# Altium PCB praxis_top_level_pcbdoc_v3.PcbDoc (part 2 of 4) (continued)
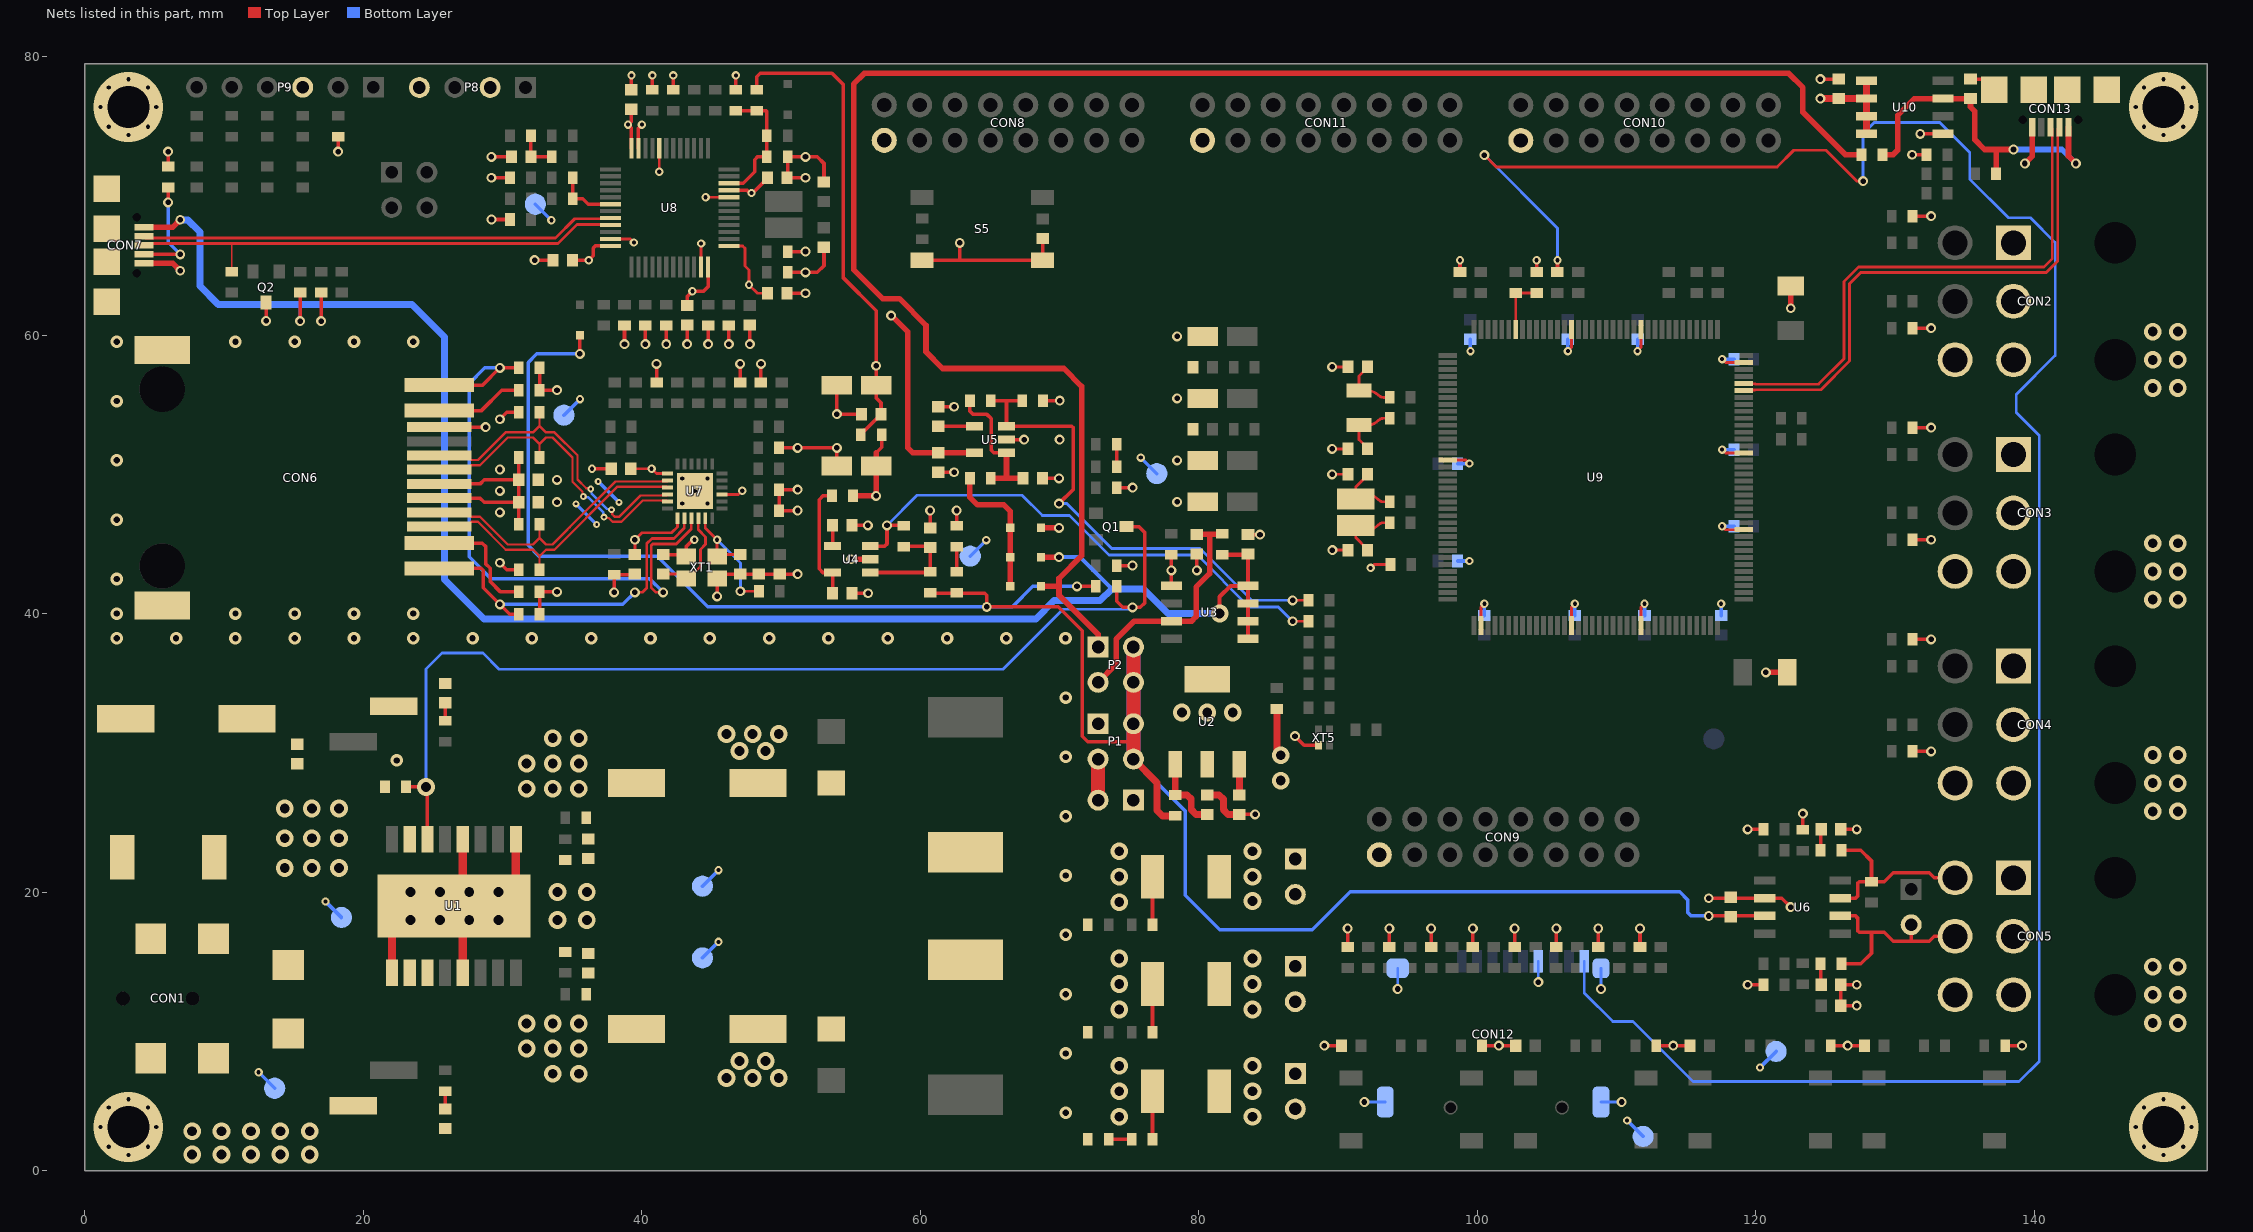
[diagram p4: the nets of this part, all layers, seen from the top]
## Part data (continued)
U6: library part MCP2562, "1/1 Transceiver CANbus 8-SOIC", Supplier 1=Digi-Key
U7: library part LAN8742A-CZ_MOD, "IC TRANSCEIVER 1/1 24SQFN", Manufacturer=Microchip, Supplier Part Number 1=LAN8742A-CZ-ND, Category="Interface ICs", Manufacturer Part Number=LAN8742A-CZ, Supplier 1=Digi-Key
U8: "IC MCU 32BIT 128KB FLASH 48LQFP", Case/Package=LQFP, Frequency=72MHz, Manufacturer=STMicroelectronics, Max Operating Temperature=85°C, Max Power Dissipation=363mW, Max Supply Voltage=3.6V, Min Operating Temperature=-40°C, Min Supply Voltage=2V, Package Quantity=250, Supplier Part Number 1=497-6288-ND, Address Bus Width=32b, Category=Microcontrollers, Contact Plating=Gold, Core Architecture=ARM, Data Bus Width=32b, Density=128KB, Height=1.45mm, Interface=I2C,SPI,USB,CAN,IrDA,UART,USART,LIN, Lead Free="Lead Free", Length=7mm, Manufacturer Part Number=STM32F103CBT6, Max Frequency=72MHz, Memory Size=128KB, Memory Type=FLASH, Number of ADC Channels=10, Number of Bits=32, Number of I2C Channels=2, Number of I/Os=37, Number of Pins=48, Number of Programmable I/O=37, Number of PWM Channels=12, Number of SPI Channels=2, Number of Timers/Counters=4, Oscillator Type=Internal, Packaging=Tray, Peripherals="POR,PWM,WDT,DMA,Temp Sensor,I2C", Radiation Hardening=No, RAM Size=20KB, REACH SVHC="No SVHC", Supplier 1=Digi-Key, Termination=SMD/SMT, Watchdog Timer=Yes, Width=7.2mm
U9: "ARM Microcontrollers - MCU High-performance and DSP with FPU, ARM Cortex-M7 MCU with 1 Mbytes Flash, 200 MHz CPU, Art Accelerator, L1 cache, SDRAM", Case/Package=LQFP, Frequency=216MHz, Manufacturer=STMicroelectronics, Max Operating Temperature=85°C, Max Supply Voltage=3.6V, Min Operating Temperature=-40°C, Min Supply Voltage=1.7V, Category=Microcontrollers, ComponentLink1Description=http://www.alliedelec.com/images/products/datasheets/bm/STMICROELECTRONICS/70612621.pdf?src-supplier=Allied+Electronics, ComponentLink1URL=http://www.alliedelec.com/images/products/datasheets/bm/STMICROELECTRONICS/70612621.pdf?src-supplier=Allied+Electronics, ComponentLink2Description=http://www.farnell.com/datasheets/2309059.pdf?src-supplier=Farnell, ComponentLink2URL=http://www.farnell.com/datasheets/2309059.pdf?src-supplier=Farnell, ComponentLink3Description=http://www.mouser.com/ds/2/389/stm32f745ie-956321.pdf?src-supplier=Mouser, ComponentLink3URL=http://www.mouser.com/ds/2/389/stm32f745ie-956321.pdf?src-supplier=Mouser, ComponentLink4Description=http://www.st.com/content/ccc/resource/technical/document/errata_sheet/4d/39/a6/8c/84/47/47/67/DM00145382.pdf/files/DM00145382.pdf/jcr:content/translations/en.DM00145382.pdf?src-supplier=Digi-Key, ComponentLink4URL=http://www.st.com/content/ccc/resource/technical/document/errata_sheet/4d/39/a6/8c/84/47/47/67/DM00145382.pdf/files/DM00145382.pdf/jcr:content/translations/en.DM00145382.pdf?src-supplier=Digi-Key, ComponentLink5Description=http://www.farnell.com/datasheets/2309059.pdf?src-supplier=Newark, ComponentLink5URL=http://www.farnell.com/datasheets/2309059.pdf?src-supplier=Newark, ComponentLink6Description=http://www.farnell.com/datasheets/2006547.pdf?src-supplier=Element14, ComponentLink6URL=http://www.farnell.com/datasheets/2006547.pdf?src-supplier=Element14, Core Architecture=ARM, Data Bus Width=32b, Data Rate=480Mbps, Height=1.45mm, Interface=I2C,SPI,USB,CAN,Ethernet,IrDA,SD,UART,USART,LIN,EBI/EMI, Lead Free="Lead Free", Length=20.2mm, Manufacturer Part Number=STM32F746ZGT6, Max Frequency=216MHz, Memory Size=1MB, Memory Type=FLASH,OTP, Mount="Surface Mount", Number of ADC Channels=24, Number of I/Os=114, Number of Pins=144, Number of PWM Channels=6, Number of Timers/Counters=15, Number of USB Channels=2, Oscillator Type=Internal, Packaging=Tray, Peripherals="Brown-out Detect/Reset,POR,PWM,WDT,DMA,LCD", Pricing 1="60=9,23015, 62=8,97375, 122=8,73122, 300=8,50146, 600=8,28347 (USD)", RAM Size=320KB, REACH SVHC="No SVHC", RoHS=Yes, Stock 1=360, Supplier 1=Avnet, Supplier Part Number 1=STM32F746ZGT6, Width=20.2mm
XT1: library part "TSX-3225 25.00MHz", "Crystal 25MHz ±10ppm (Tol) ±18ppm (Stability) 20pF FUND 40Ohm 4-Pin Mini-CSMD T/R", Case/Package=SMD/SMT, ESR (Equivalent Series Resistance)=40R, Frequency=25MHz, Frequency Stability=18ppm, Frequency Tolerance=10ppm, Load Capacitance=20pF, Manufacturer=Epson, Manufacturer Part Number="TSX-3225 25.0000MF18X-G0", Max Operating Temperature=85°C, Min Operating Temperature=-40°C, Category=Crystals, ComponentLink1Description=https://www5.epsondevice.com/en/information/support/pdf/june_2018_psc_masterbook.pdf?src-supplier=Digi-Key, ComponentLink1URL=https://www5.epsondevice.com/en/information/support/pdf/june_2018_psc_masterbook.pdf?src-supplier=Digi-Key, ComponentLink2Description=https://support.epson.biz/td/api/doc_check.php?dl=brief_TSX-3225&amp;lang=en&src-supplier=Digi-Key, ComponentLink2URL=https://support.epson.biz/td/api/doc_check.php?dl=brief_TSX-3225&amp;lang=en&src-supplier=Digi-Key, ComponentLink3Description=https://support.epson.biz/td/api/doc_check.php?dl=brief_FA-238V_en.pdf&src-supplier=Digi-Key, ComponentLink3URL=https://support.epson.biz/td/api/doc_check.php?dl=brief_FA-238V_en.pdf&src-supplier=Digi-Key, Height=0.024inch, Length=0.126inch, Mount="Surface Mount", Packaging="Tape and Reel", Pricing 1="1=0,33000, 10=0,27500, 50=0,24760, 100=0,22000, 500=0,20900 (USD)", RoHS=Yes, RoHS Compliant=Yes, Supplier 1=Digi-Key, Width=0.098inch
XT2: "CRYSTAL 8.0000MHZ 8PF SMD", Case/Package=SMD/SMT, ESR (Equivalent Series Resistance)=500R, Frequency=8MHz, Frequency Stability=150ppm, Frequency Tolerance=50ppm, Load Capacitance=8pF, Manufacturer=NDK, Manufacturer Part Number=NX3225GD-8MHZ-STD-CRA-3, Max Operating Temperature=150°C, Min Operating Temperature=-40°C, Package Quantity=3000, Category=Crystals, Height=0.039inch, Length=0.126inch, Mount="Surface Mount", Number of Pins=2, Packaging="Tape and Reel", Supplier 1=Digi-Key, Width=0.098inch
XT3: library part NX3215SA-32, "CRYSTAL 32.7680KHZ 12.5PF SMD", Case/Package=SMD/SMT, ESR (Equivalent Series Resistance)=70kR, Frequency=32.768kHz, Frequency Tolerance=20ppm, Load Capacitance=12.5pF, Manufacturer=NDK, Max Operating Temperature=85°C, Min Operating Temperature=-40°C, Package Quantity=1000, Supplier Part Number 1=644-1156-1-ND, Category=Crystals, ComponentLink1Description=https://datasheet.ciiva.com/857/c-nx3215sa-std-mua-9-e-857050.pdf?src-supplier=Digi-Key, ComponentLink1URL=https://datasheet.ciiva.com/857/c-nx3215sa-std-mua-9-e-857050.pdf?src-supplier=Digi-Key, ComponentLink2Description=https://datasheet.ciiva.com/857/c-nx3215sa-std-mua-9-e-857051.pdf?src-supplier=Digi-Key, ComponentLink2URL=https://datasheet.ciiva.com/857/c-nx3215sa-std-mua-9-e-857051.pdf?src-supplier=Digi-Key, ComponentLink3Description=https://datasheet.ciiva.com/857/c-nx3215sa-std-mua-9-e-857052.pdf?src-supplier=Digi-Key, ComponentLink3URL=https://datasheet.ciiva.com/857/c-nx3215sa-std-mua-9-e-857052.pdf?src-supplier=Digi-Key, Height=0.035inch, Lead Free="Lead Free", Length=0.126inch, Manufacturer Part Number=NX3215SA-32.768K-STD-MUA-8, Mount="Surface Mount", Number of Pins=2, Packaging="Tape and Reel", Pricing 1="1=0,68000, 10=0,60200, 50=0,56280, 100=0,49740, 500=0,47124, 1000=0,39270 (USD)", RoHS=Yes, Stock 1=27210, Supplier 1=Digi-Key, Width=0.059inch
XT4: "CRISTAL 8MHZ SMD", Case/Package=SMD/SMT, ESR (Equivalent Series Resistance)=500R, Frequency=8MHz, Frequency Stability=150ppm, Frequency Tolerance=50ppm, Load Capacitance=8pF, Manufacturer=NDK, Manufacturer Part Number=NX3225GD-8MHZ-STD-CRA-3, Max Operating Temperature=150°C, Min Operating Temperature=-40°C, Package Quantity=3000, Supplier Part Number 1=644-1178-1-ND, Category=Crystals, Height=0.039inch, Length=0.126inch, Mount="Surface Mount", Number of Pins=2, Packaging="Tape and Reel", Supplier 1=Digi-Key, Width=0.098inch
XT5: "CRYSTAL CLOCK OSCILLATOR 25MHZ", Case/Package=SMD/SMT, Frequency=25MHz, Frequency Stability=30ppm, Load Capacitance=15pF, Manufacturer=Abracon, Manufacturer Part Number=ASCO-25.000MHZ-EK-T3, Max Operating Temperature=70°C, Max Supply Current=6mA, Max Supply Voltage=3.63V, Min Operating Temperature=-20°C, Min Supply Voltage=2.97V, Operating Supply Voltage=3.3V, Package Quantity=3000, Supplier Part Number 1=535-12075-1-ND, ASCO=25MHz, Category=Oscillators, Height=0.028inch, Length=0.063inch, Mount="Surface Mount", Number of Pins=4, Packaging="Tape and Reel", Supplier 1=Digi-Key, Termination=SMD/SMT, Width=0.047inch
J8 J9 J10 J11 J12 J13 J14: Supplier 1=Digi-Key
J15 J16 J17 J18 J19 J20 J21 J22 J23 J24 J25 J26: Supplier 1=Avnet

## Free pads (board coordinates)
  round 1.524 smd far side: 2(13.626,5.911) 2(18.425,18.175) 2(32.35,69.395) 2(34.4,54.25) 2(44.35,15.275) 2(44.35,20.425) 2(63.58,44.125) 2(76.975,50.05) 2(111.9,2.45) 2(116.975,31) 2(121.448,8.553)

## Via types
v1: diameter 0.711, hole 0.4, Top Layer to Bottom Layer, 169 vias
v2: diameter 0.6, hole 0.3, Top Layer to Bottom Layer, 83 vias
v3: diameter 1.27, hole 0.711, Top Layer to Bottom Layer, 68 vias
v4: diameter 0.6, hole 0.3, Top Layer to Bottom Layer, tented both sides, 50 vias
v5: diameter 1.27, hole 0.711, Top Layer to Bottom Layer, tented top, 43 vias
v6: diameter 0.9, hole 0.45, Top Layer to Bottom Layer, 39 vias
v7: diameter 0.4, hole 0.3, Top Layer to Bottom Layer, 32 vias
v8: diameter 0.6, hole 0.3, Top Layer to Bottom Layer, tented top, 17 vias
v9: diameter 0.711, hole 0.4, Top Layer to Bottom Layer, tented top, 8 vias
v10: diameter 0.711, hole 0.4, Top Layer to Bottom Layer, tented both sides, 6 vias
v11: diameter 0.5, hole 0.2, Top Layer to Bottom Layer, tented both sides, 4 vias
v12: diameter 0.5, hole 0.2, Top Layer to Bottom Layer, 4 vias
v13: diameter 5, hole 3, Top Layer to Bottom Layer, 4 vias
v14: diameter 0.711, hole 0.4, Top Layer to Bottom Layer, tented bottom, 1 vias
v15: diameter 0.9, hole 0.45, Top Layer to Bottom Layer, tented both sides, 1 vias

## Nets (pads, with @x,y where several pads share a name; then routed paths per layer and width w, separated by ;. In a path a pad name is that pad's centre, name@x,y a point inside that pad or via, vN(x,y) a via of type N, cw(c..) or ccw(c..) an arc to the next point about the centre after c; other vN are vias at no path point)
+3V3_MCP1825: C2.2 C23.1 C25.2 J33.1 L3.1 pad.2@76.975,50.05 R32.2 R33.2 R34.2 R35.2 R36.2 R53.2 U2.3 U7.9 | length 51.5
  Top Layer w0.2: U7.9@45.75,48.55 46.925,48.55 v2(47.2,48.825)
  Top Layer w0.254: R33.2@41.05,56.6 v1(41.05,57.932) ; R32.2@47.05,56.6 v1(47.05,57.932) ; R53.2@48.25,77.617 48.25,78.55 48.5,78.8 53.649,78.8 54.475,77.974 54.475,64.096 56.82,61.751 v1(56.82,57.8) C23.1@56.82,56.4 56.82,55.48 57.168,55.132 C25.2@57.168,54.325 57.168,54.275 56.895,54.002 56.845,54.002 55.991,53.148 55.941,53.148 55.718,52.925 L3.1@55.718,52.825 ; R34.2@48.55,56.6 v1(48.55,57.932) ; v1(51.182,47.4) R36.2@49.85,47.4 R35.2@49.85,48.9 v1(51.182,48.9)
  Top Layer w0.5: C2.2@82.9,26.975 U2.3@82.9,29.194 ; J33.1@85.6,33.15 85.6,30.104 v3(85.875,29.829)
  Bottom Layer w0.254: v2(75.825,51.2) pad.2@76.975,50.05
  other v3: 85.875,28
+3V3_MIC5301: C15.1 L4.2 U4.5 | length 8.6
  Top Layer w0.254: L4.2@53.65,48.45 53.004,48.45 52.725,48.171 52.725,43.212 52.987,42.95 U4.5@53.691,42.95 C15.1@53.691,41.458
+3V3_SPI: C3.1 C4.1 F3.1 L1.2 pad.2@44.35,15.275 R1.2 R12.2 | length 5.1
  Top Layer w0.3: R12.2@76.67,9.95 F3.1@76.67,13.4
  Bottom Layer w0.254: pad.2@44.35,15.275 v2(45.5,16.425)
  other v3: 33.6,6.95 35.475,6.95 31.725,8.762 33.6,8.762 35.475,8.762 31.725,10.561 33.6,10.561 35.475,10.561 74.276,11.571 74.276,13.4 74.276,15.229
+3V3_SPI_FUSE: CON2.1 CON3.1 CON4.1 CON5.1 F3.2 P5.2 pad.2@121.448,8.553 | length 1.6
  Bottom Layer w0.254: v8(120.298,7.403) pad.2@121.448,8.553
  other v3: 83.844,11.571 83.844,13.4 83.844,15.229
+3V3_STLINK: C18.1 C38.2 C39.2 C40.2 C41.2 C42.2 J15.2 J16.2 J20.2 P8.4 pad.2@32.35,69.395 Q2.3 R52.2 R54.2 U5.5 U8.1 U8.9 U8.24 U8.36 U8.48 | length 43.1
  Top Layer w0.2: U8.1@46.267,66.4 47.234,66.4 47.4,66.234 47.4,64.95 47.691,64.659 v2(47.691,63.609) 48.3,63 C40.2@49.017,63
  Top Layer w0.254: v1(13.01,61.018) Q2.3@13.01,62.35 ; v1(29.199,68.3) J16.2@30.531,68.3 ; C38.2@35.025,65.377 v2(36.177,65.377) 36.5,65.7 36.5,66.251 36.649,66.4 U8.36@37.733,66.4 ; U8.24@39.25,73.417 39.25,74.861 v2(39,75.111) 39.25,75.361 C42.2@39.25,76.217 ; v1(40.25,59.351) J15.2@40.25,60.683 ; J20.2@40.75,77.617 v2(40.75,78.65) ; C39.2@43.25,62.133 43.25,62.775 v2(43.625,63.15) 44.425,63.15 44.75,63.475 U8.48@44.75,64.883 ; v1(44.75,59.351) R52.2@44.75,60.683 ; U8.9@46.267,70.4 47.551,70.4 47.751,70.2 47.967,70.2 49.017,71.25 C41.2@49.017,71.3 ; R54.2@46.75,77.617 v2(46.75,78.65)
  Top Layer w0.4: v1(57.9,61.4) 57.932,61.4 59.1,60.232 59.1,51.9 59.454,51.546 U5.5@63.882,51.546
  Bottom Layer w0.254: pad.2@32.35,69.395 v2(33.5,68.245)
  other v2: 47.875,70.2
+5V: C19.2 D20.1 J1.1 J5.1 P1.2 P1.4 P2.2 P2.4 R9.2 R14.2 U6.3 | length 163.9
  Top Layer w0.254: v1(35.55,58.65) D20.1@35.55,59.983 ; J5.1@60.7,41.458 62.6,41.458 62.604,41.454 64.614,41.454 64.762,41.305 v1(64.762,40.485) 69.899,40.485 71.629,38.754 71.629,31.182 72.007,30.804 75.3,30.804 ; v1(71.246,41.95) R14.2@72.6,41.95 ; v1@116.612,18.289 118.2,18.289 U6.3@120.646,18.289
  Top Layer w0.5: P1.4@75.3,29.55 77,27.85 77,25.85 77.375,25.475 J1.1@78.3,25.475
  Top Layer w1: P1.4@75.3,29.55 75.3,30.804 P2.2@75.3,37.6
  Bottom Layer w0.254: v1(35.55,58.65) 32.45,58.65 31.825,58.025 31.825,44.9 32.6,44.125 41.1,44.125 44.74,40.485 66.61,40.485 68.075,41.95 v1(71.246,41.95) ; P1.4@75.3,29.55 79.025,25.825 79.025,19.775 81.5,17.3 88.15,17.3 90.875,20.025 114.525,20.025 115.09,19.46 115.09,18.547 115.354,18.284 v1(116.612,18.284)
  Bottom Layer w1: P1.4@75.3,29.55 P1.2@75.3,32.09 P2.4@75.3,35.06 P2.2@75.3,37.6
+5V_BAT: P1.3 P3.2 | length 2.9
  Top Layer w1: P3.2@72.76,26.6 P1.3@72.76,29.55
+5V_OTG_FS: D11.1 J41.1 P2.1 | length 132.3
  Top Layer w0.4: D11.1@68.662,41.95 69.954,41.95 ; P2.1@72.76,37.6 72.76,38.512 69.954,41.318 69.954,41.95 ; J41.1@127.587,72.95 126.425,72.95 123.375,76 123.375,77.775 122.349,78.801 55.974,78.801 55.2,78.027 55.2,64.7 57.285,62.615 58.485,62.615 60.4,60.7 60.4,58.8 61.6,57.6 70.3,57.6 71.578,56.322 71.578,44.153 69.954,42.529 69.954,41.95
+5V_SPI: C5.1 C6.1 F2.1 L2.2 pad.2@44.35,20.425 R2.2 R11.2 | length 5.1
  Top Layer w0.3: R11.2@76.67,17.655 F2.1@76.67,21.105
  Bottom Layer w0.254: pad.2@44.35,20.425 v2(45.5,21.575)
  other v3: 74.276,19.276 74.276,21.105 74.276,22.934 31.725,27.425 33.6,27.425 35.475,27.425 31.725,29.238 33.6,29.238 35.475,29.238 33.6,31.05 35.475,31.05
+5V_SPI_FUSE: C73.2 CON2.2 CON3.2 CON4.2 CON5.2 D5.1 F2.2 P1.1 P4.2 pad.2@63.58,44.125 U10.5 U10.6 U10.7 U10.8 | length 10
  Top Layer w0.4: D5.1@68.662,46.155 v1(69.954,46.155)
  Top Layer w0.5: v1(124.631,76.985) C73.2@125.963,76.985 U10.6@127.937,76.985 ; U10.8@127.937,74.445 U10.7@127.937,75.715 U10.6@127.937,76.985 ; U10.5@127.937,78.255 U10.6@127.937,76.985
  Bottom Layer w0.254: pad.2@63.58,44.125 v2(64.73,45.275)
  other v3: 83.844,19.358 83.844,21.105 83.844,22.934
+5V_STLINK: C16.1 J6.2 R18.2 U5.1 | length 10.1
  Top Layer w0.254: R18.2@63.552,55.287 63.552,54.548 63.8,54.3 64.779,54.3 65.075,54.004 65.075,51.746 65.275,51.546 U5.1@66.182,51.546
  Top Layer w0.4: J6.2@65.052,49.705 66.182,49.705 ; U5.1@66.182,51.546 66.182,49.705 ; C16.1@67.362,49.705 66.182,49.705
+5V_USB_ST_PW: C9.2 J2.1 P2.3 U3.3 | length 18.2
  Top Layer w0.4: P2.3@72.76,35.06 74.065,36.365 74.065,38.165 75.35,39.45 U3.3@78.019,39.45 79.475,39.45 79.8,39.775 79.8,41.9 80.772,42.872 80.772,45.698 ; C9.2@79.854,45.698 80.772,45.698 ; J2.1@81.69,45.698 80.772,45.698
+5V_USB_STLINK: C10.2 CON7.1 D6.1 J2.2 R63.2 U3.5 U3.6 U3.7 U3.8 | length 124.1
  Top Layer w0.254: v1(15.46,61) R63.2@15.46,63.05
  Top Layer w0.3: v5(81.489,40.011) 81.489,41.211 82.268,41.99 U3.8@83.519,41.99 ; J2.2@81.69,44.223 C10.2@83.519,44.223 ; U3.5@83.519,38.18 U3.6@83.519,39.45 U3.7@83.519,40.72 U3.8@83.519,41.99 ; C10.2@83.525,44.223 C10.2@83.519,44.223 ; U3.8@83.519,41.99 C10.2@83.519,44.223
  Top Layer w0.4: CON7.1@4.24,67.75 6.317,67.75 v1(6.848,68.281) ; D6.1@68.662,44.052 v1(69.954,44.052)
  Bottom Layer w0.254: v1(15.46,61) 15.463,61.003 15.463,62.2
  Bottom Layer w0.3: v1(69.954,44.052) 71.473,44.052 73.75,41.775
  Bottom Layer w0.5: v1(6.848,68.281) 6.874,68.256 7.386,68.256 8.25,67.393 8.25,63.525 9.575,62.2 15.463,62.2 23.5,62.2 25.825,59.875 25.825,42.45 28.65,39.625 68.3,39.625 69.6,40.925 72.9,40.925 73.75,41.775 76.025,41.775 77.789,40.011 v5(81.489,40.011)
+12V: C11.1 C12.1 D4.2 F1.1 pad.2@18.425,18.175 R10.2 R13.2 U1.2 U1.3 U1.15 | length 5.1
  Top Layer w0.3: R10.2@76.67,2.245 F1.1@76.67,5.695
  Bottom Layer w0.254: v2(17.275,19.325) pad.2@18.425,18.175
  other v3: 74.276,3.866 74.276,5.695 74.276,7.524 14.35,21.725 16.3,21.725 18.25,21.725 14.35,23.863 16.3,23.863 18.25,23.863 14.35,26 16.3,26 18.25,26
+12V_FUSE: CON2.3 CON3.3 CON4.3 CON5.3 F1.2 P6.2 pad.2@111.9,2.45 | length 1.6
  Bottom Layer w0.254: v8(110.75,3.6) pad.2@111.9,2.45
  other v3: 83.844,3.866 83.844,5.695 83.844,7.524
  other v5: 148.5,10.6 150.3,10.6 148.5,12.624 150.3,12.624 148.5,14.648 150.3,14.648 148.5,25.8 150.3,25.8 148.5,27.824 150.3,27.824 148.5,29.848 150.3,29.848 148.5,41 150.3,41 148.5,43.024 150.3,43.024 148.5,45.048 150.3,45.048 148.5,56.2 150.3,56.2 148.5,58.224 150.3,58.224 148.5,60.248 150.3,60.248
+12V_JACK: CON1.1 D3.2 D4.1
AIN_1: R53.1 R54.1 R62.2 R70.1 U8.10 | length 9.5
  Top Layer w0.254: U8.10@46.267,70.9 47.283,70.9 48.1,71.717 48.1,72.6 48.3,72.8 R62.2@48.967,72.8 R70.1@48.967,74.3 48.967,76.083 48.933,76.117 R53.1@48.25,76.117 R54.1@46.75,76.117
BOOT0: R87.1 R90.2 U9.138 | length 4.1
  Top Layer w0.2: R87.1@102.75,63.025 R90.2@104.25,63.025 ; U9.138@102.75,60.4 R87.1@102.75,63.025
BYPASS: C17.1 U5.4 | length 2.6
  Top Layer w0.254: C17.1@61.281,53.446 U5.4@63.882,53.446
C/E: Q1.3 R13.1 R14.1 U1.14 | length 77.2
  Top Layer w0.254: R13.1@23.05,27.55 v3(24.5,27.55) 24.595,27.455 U1.14@24.595,23.8 ; R14.1@74.1,41.95 74.1,40.875 74.527,40.448 v1(75.233,40.448) 75.798,40.448 76.125,40.775 76.125,45.8 75.675,46.25 Q1.3@74.8,46.25
  Bottom Layer w0.2: v3(24.5,27.55) 24.5,36.025 25.639,37.164 28.584,37.164 29.751,35.997 65.915,35.997 70.231,40.312 75.097,40.312 v1(75.233,40.448)
CAN_H: CON5.4 R27.2 R29.1 U6.7 | length 13.6
  Top Layer w0.254: U6.7@126.046,19.559 127.151,19.559 127.3,19.707 127.3,20.63 127.414,20.744 R27.2@128.3,20.744 ; R29.1@126.146,22.992 127.539,22.992 128.3,22.231 R27.2@128.3,20.744 ; CON5.4@134.3,21.024 132.8,21.024 132.446,21.378 129.853,21.378 129.219,20.744 R27.2@128.3,20.744
CAN_L: CON5.5 P7.2 R28.1 U6.6 | length 14.8
  Top Layer w0.254: U6.6@126.046,18.289 127.151,18.289 127.3,18.14 127.3,17.217 127.414,17.103 128.3,17.103 ; R28.1@126.146,14.842 127.539,14.842 128.3,15.603 128.3,17.103 ; P7.2@131.15,17.654 131.15,16.47 ; CON5.5@134.3,16.823 132.8,16.823 132.446,16.47 131.15,16.47 ; 128.3,17.103 129.219,17.103 129.853,16.47 131.15,16.47
CE: J27.1 R15.2 | length 1.6
  Top Layer w0.254: R15.2@74.1,50.55 J27.1@74.1,52.15
CLKIN_PHY: C33.2 R45.1 U7.5 XT1.3 | length 10.5
  Top Layer w0.2: U7.5@44.55,46.85 44.55,46.148 v2(45.4,45.298) XT1.3@45.4,44.11 45.523,44.233 C33.2@47.075,44.233 ; v1(47.075,41.6) R45.1@48.4,41.6
  Bottom Layer w0.2: v2(45.4,45.298) 47.075,43.623 v1(47.075,41.6)
CT: C24.1 C26.2 C27.2 C28.2 C29.2 CON6.5 CON6.6 L3.2 L4.1 pad.2@34.4,54.25 R37.2 R38.2 R39.2 R40.2 U7.1 U7.19 | length 35.3
  Top Layer w0.2: C26.2@39.2,50.4 v2(40.7,50.4) 41.05,50.05 U7.19@41.85,50.05 ; C27.2@39.5,44.233 v1(39.5,45.298) 40.002,45.8 42.134,45.8 42.55,46.216 U7.1@42.55,46.85
  Top Layer w0.254: CON6.5@25.453,48.29 28.378,48.29 28.667,48.001 C28.2@31.151,48.001 ; CON6.6@25.453,49.31 28.378,49.31 28.672,49.604 C29.2@31.151,49.604 ; v1(29.803,43.648) 30.303,43.148 R37.2@31.151,43.148 ; v1(29.803,53.952) 30.303,54.452 R40.2@31.151,54.452 ; R38.2@31.151,46.406 C28.2@31.151,48.001 ; R39.2@31.151,51.208 C29.2@31.151,49.604 ; 56.82,51.545 57.218,51.943 L3.2@57.218,52.825 ; C28.2@31.151,48.001 C28.2@31.151,48.01 C29.2@31.151,49.604
  Top Layer w0.4: L4.1@55.15,48.45 v1(56.82,48.45) C24.1@56.82,50.6 56.82,51.545
  Bottom Layer w0.254: pad.2@34.4,54.25 v2(35.55,55.4)
  other v1: 29.803,47.27 29.803,48.807 29.803,50.344
DP_ETH_RX_N: CON6.8 R40.1 U7.22 | length 23.2
  Top Layer w0.165: CON6.8@25.453,51.35 27.418,51.35 27.745,51.023 28.223,51.023 30.213,53.013 32.188,53.013 32.651,53.476 ; R40.1@32.651,54.452 32.651,53.476 ; v12(36.325,48.95) 36.272,49.003 35.997,49.003 35.375,49.625 35.375,51.366 33.729,53.013 33.114,53.013 32.651,53.476 ; v12(37.819,47.456) 37.872,47.403 37.872,47.127 38.037,46.962 38.387,46.962 39.907,48.483 41.436,48.483 41.446,48.493 41.792,48.493 U7.22@41.85,48.55
  Bottom Layer w0.165: v12(36.325,48.95) 36.378,48.897 36.378,48.622 37.491,47.509 37.766,47.509 v12(37.819,47.456)
DP_ETH_RX_P: CON6.7 R39.1 U7.23 | length 23.2
  Top Layer w0.165: CON6.7@25.453,50.33 27.418,50.33 27.745,50.658 28.374,50.658 30.364,52.648 32.188,52.648 32.651,52.184 ; R39.1@32.651,51.208 32.651,52.184 ; v12(35.792,48.417) 35.738,48.47 35.738,48.745 35.01,49.474 35.01,51.215 34.55,51.675 33.577,52.648 33.114,52.648 32.651,52.184 ; v12(37.286,46.923) 37.339,46.869 37.614,46.869 37.779,46.704 37.886,46.597 38.539,46.597 40.059,48.118 41.436,48.118 41.446,48.108 41.792,48.108 U7.23@41.85,48.05
  Bottom Layer w0.165: v12(35.792,48.417) 35.845,48.363 36.12,48.363 37.233,47.251 37.233,46.976 v12(37.286,46.923)
DP_ETH_TX_N: CON6.4 R38.1 U7.20 | length 20.6
  Top Layer w0.165: CON6.4@25.453,47.284 27.418,47.284 27.745,46.956 28.374,46.956 30.364,44.966 32.188,44.966 32.651,45.43 ; R38.1@32.651,46.406 32.651,45.43 ; U7.20@41.85,49.55 41.792,49.493 41.446,49.493 41.436,49.483 38.094,49.483 34.808,46.197 34.55,45.939 33.577,44.966 33.114,44.966 32.651,45.43
DP_ETH_TX_P: CON6.3 R37.1 U7.21 | length 20.6
  Top Layer w0.165: CON6.3@25.453,46.264 27.418,46.264 27.745,46.591 28.223,46.591 30.226,44.588 32.188,44.588 32.651,44.124 ; R37.1@32.651,43.148 32.651,44.124 ; U7.21@41.85,49.05 41.792,49.108 41.446,49.108 41.436,49.118 38.245,49.118 33.715,44.588 33.114,44.588 32.651,44.124
DP_OTG_FS_N: CON13.2 U9.103 | length 39.3
  Top Layer w0.2: U9.103@119.125,56.025 119.15,56.05 119.924,56.05 119.949,56.075 124.666,56.075 126.725,58.134 126.725,63.684 127.529,64.488 140.854,64.488 141.675,65.309 141.675,74.804 CON13.2@141.8,74.929
DP_OTG_FS_P: CON13.3 U9.104 | length 38.7
  Top Layer w0.2: U9.104@119.125,56.525 119.15,56.5 119.924,56.5 119.949,56.475 124.5,56.475 126.325,58.3 126.325,63.85 127.363,64.888 140.688,64.888 141.275,65.475 141.275,74.804 CON13.3@141.15,74.929
DP_STLINK_USB_N: CON7.2 U8.32 | length 34.1
  Top Layer w0.2: CON7.2@4.24,67.1 4.365,66.975 33.8,66.975 35.175,68.35 35.931,68.35 37.683,68.35 U8.32@37.733,68.4
DP_STLINK_USB_P: CON7.3 R68.2 U8.33 | length 36.2
  Top Layer w0.1: R68.2@10.56,64.55 10.56,66.575
  Top Layer w0.2: CON7.3@4.24,66.45 4.365,66.575 10.56,66.575 33.965,66.575 35.341,67.95 37.683,67.95 U8.33@37.733,67.9
EN: J30.2 R8.1 U4.3 | length 38.7
  Top Layer w0.2: v1(86.733,39.45) J30.2@87.875,39.45
  Top Layer w0.254: U4.3@56.391,44.85 57.451,44.85 57.6,44.999 v1(57.6,46.333) R8.1@58.8,46.333
  Bottom Layer w0.2: v1(57.6,46.333) 59.767,48.5 67.3,48.5 68.757,47.043 70.703,47.043 73.546,44.2 79.89,44.2 83.608,40.482 85.701,40.482 v1(86.733,39.45)
GND: C1.1 C2.1 C3.2 C4.2 C5.2 C6.2 C7.1 C8.1 C9.1 C10.1 C11.2 C12.2 C13.2 C14.2 C15.2 C16.2 C17.2 C18.2 C19.1 C20.1 C21.1 C22.1 C23.2 C24.2 C25.1 C26.1 C27.1 C28.1 C29.1 C30.1 C31.1 C32.1 C33.1 C34.1 C35.1 C36.1 C37.1 C38.1 C39.1 C40.1 C41.1 C42.1 C43.1 C44.1 C45.1 C46.1 C47.1 C48.1 C49.1 C50.1 C51.1 C52.1 C53.1 C54.1 C55.1 C56.1 C57.2 C58.2 C59.2 C60.2 C61.2 C62.1 C63.1 C64.2 C65.2 C66.2 C67.1 C68.1 C69.1 C70.1 C71.1 C72.1 C73.1 CON1.2 CON1.3 CON2.6 CON3.6 CON4.6 CON5.6 CON6.10 CON6.13 CON6.14 CON7.5 CON7.6 CON8.9 CON9.9 CON10.9 CON11.9 CON12.6 CON12.10 CON13.5 CON13.6 D1.1 D2.1 D3.1 D7.2 D8.2 D9.2 D10.2 D22.2 D24.2 D25.2 D26.2 D27.2 D28.2 D29.2 D30.2 D31.2 J3.2 J4.2 J19.1 J21.1 J35.1 P3.1 P4.1 P5.1 P6.1 P8.2 P9.3 pad.2@13.626,5.911 R3.1 R4.1 R7.1 R16.1 R17.1 R19.2 R20.2 R21.2 R22.2 R23.2 R24.2 R25.2 R26.2 R30.2 R31.2 R46.1 R47.1 R48.1 R49.1 R50.1 R51.1 R55.1 R57.1 R58.1 R60.1 R61.2 R62.1 R69.1 R71.1 R89.1 R90.1 R99.1 R101.1 R103.1 R105.1 R107.1 S5.3 S5.4 U1.1 U1.5 U1.9 U1.12 U1.17 U2.2 U2.4 U3.1 U4.2 U5.2 U6.2 U7.25 U8.8 U8.20 U8.23 U8.35 U8.47 U9.16 U9.38 U9.51 U9.61 U9.83 U9.94 U9.107 U9.120 U9.130 U10.1 XT1.2 XT1.4 XT5.2 | length 229.1
  Top Layer w0.2: U8.35@37.733,66.9 39.175,66.9 v8(39.425,66.65) ; v8(41.25,71.724) U8.20@41.25,73.417 ; U8.47@44.25,64.883 v8(44.25,66.576) ; v8@44.575,69.9 U8.8@46.267,69.9 ; v1(89.57,50) C65.2@90.712,50 ; v1(89.57,51.828) C64.2@90.712,51.828 ; v1(89.57,57.712) C57.2@90.712,57.712 ; v1(89.586,44.556) C66.2@90.712,44.556 ; v2(92.328,43.279) 92.574,43.525 J35.1@93.75,43.525 ; U9.16@97.875,51.025 99.175,51.025 v4(99.425,50.775) ; U9.38@100.25,39.15 100.25,40.45 v4(100.5,40.7) ; v4(106.5,58.85) 106.75,59.1 U9.130@106.75,60.4 ; U9.51@106.75,39.15 106.75,40.45 v4(107,40.7) ; v4(111.5,58.85) 111.75,59.1 U9.120@111.75,60.4 ; U9.61@111.746,39.151 111.746,40.451 v4@111.996,40.701 ; v4(117.575,46.275) 117.825,46.025 U9.83@119.125,46.025 ; v4(117.575,51.775) 117.825,51.525 U9.94@119.125,51.525 ; v4(117.575,58.275) 117.825,58.025 U9.107@119.125,58.025
  Top Layer w0.254: R57.1@5.98,72.1 v1(5.98,73.175) ; v1(16.96,61) R69.1@16.96,63.05 ; v1(18.18,73.175) R71.1@18.18,74.25 ; CON6.10@25.453,53.39 v1(28.778,53.39) ; v1(29.193,71.3) D22.2@30.531,71.3 ; v1(29.193,72.8) C37.1@30.628,72.8 ; v1(32.293,65.377) C38.1@33.625,65.377 ; R48.1@32.651,39.958 R49.1@32.651,41.553 v1(33.903,41.553) ; R47.1@32.651,57.642 R50.1@32.651,56.047 v1(33.903,56.047) ; v2(36.418,50.4) C26.1@37.8,50.4 ; v1(38,41.525) R46.1@38,42.783 C27.1@39.45,42.783 ; v1(38.75,59.351) R58.1@38.75,60.683 ; C42.1@39.25,77.617 v2(39.25,78.65) ; U8.23@39.75,73.417 39.75,74.861 v2(40,75.111) ; C32.1@41.525,44.233 43.077,44.233 XT1.4@43.2,44.11 43.2,44.233 43.2,44.825 43.674,45.298 v2(43.767,45.298) ; v1(41.75,59.351) R55.1@41.75,60.683 ; J21.1@42.25,77.617 v2(42.25,78.65) ; v1(43.25,59.351) C39.1@43.25,60.733 ; v1(45.4,41.237) XT1.2@45.4,42.51 45.723,42.833 C33.1@47.075,42.833 C31.1@48.4,42.833 C30.1@49.9,42.833 v1(51.182,42.833) ; v1(46.25,59.351) J19.1@46.25,60.683 ; v1(47.75,59.351) C36.1@47.75,60.733 ; R51.1@49.85,51.9 v1(51.182,51.9) v9(54,51.9) C24.2@54,50.6 ; C40.1@50.417,63 v1(51.749,63) ; R60.1@50.467,64.5 52.6,64.5 53.075,64.975 C34.1@53.075,66.305 ; R61.2@50.467,66 v1(51.749,66) ; v1(51.749,71.3) C41.1@50.417,71.3 50.467,71.35 R62.1@50.467,72.8 52.6,72.8 53.075,72.325 C35.1@53.075,70.995 ; C23.2@54,56.4 v9(54,54.325) C25.1@55.768,54.325 ; C15.2@55.091,41.458 v1(56.242,41.458) ; C14.2@55.091,46.333 v1(56.233,46.333) ; S5.3@60.124,65.375 62.825,65.375 ; C13.2@60.7,46.15 v1(60.7,47.4) ; C18.2@61.277,50.15 v1(62.42,50.15) ; C17.2@61.277,54.85 v1(62.42,54.85) ; D7.2@62.6,46.3 v1(62.6,47.4) ; v9(62.825,66.625) 62.825,65.375 ; U5.2@66.182,52.496 v1(67.447,52.496) ; C16.2@68.762,49.705 v1(69.954,49.705) ; C71.1@68.774,66.925 S5.4@68.774,65.375 62.825,65.375 ; R19.2@68.812,55.287 v1(70.004,55.287) ; R16.1@74.1,43.45 v1(75.233,43.45) ; R17.1@74.1,49.05 v1(75.242,49.05) ; U3.1@78.019,41.99 v1(78.019,43.107) R7.1@78.019,44.223 ; v1(79.854,43.107) C9.1@79.854,44.273 ; C2.1@82.9,25.575 v1(84.033,25.575) ; C10.1@83.525,45.673 v1(84.387,45.674) ; v1(86.9,31.2) 87.55,30.55 XT5.2@88.575,30.55 ; v1(89.015,8.975) C70.1@90.227,8.975 ; D31.2@90.675,16.05 v1(90.675,17.382) ; D24.2@93.675,16.05 v1(93.675,17.382) ; D25.2@96.675,16.05 v1(96.675,17.382) ; R89.1@98.75,64.525 v2(98.75,65.375) ; D26.2@99.675,16.05 v1(99.675,17.382) ; R105.1@100.327,8.975 C69.1@102.75,8.975 ; D27.2@102.675,16.05 v1(102.675,17.382) ; R90.1@104.25,64.525 v2(104.25,65.375) ; D28.2@105.675,16.05 v1(105.675,17.382) ; D29.2@108.675,16.05 v1(108.675,17.382) ; D30.2@111.675,16.05 v1(111.675,17.382) ; R103.1@112.85,8.975 C68.1@115.273,8.975 ; v1@116.612,19.559 118.2,19.559 U6.2@120.646,19.559 121.859,19.559 v9(122.494,18.924) ; v1(119.404,13.342) R30.2@120.547,13.342 ; v1(119.404,24.505) R31.2@120.547,24.505 ; R26.2@123.375,24.467 v1(123.375,25.634) ; v1(124.631,78.385) C73.1@125.963,78.385 ; R101.1@125.373,8.975 C67.1@127.797,8.975 ; C21.1@126.096,24.505 v1(127.239,24.505) ; v1(127.239,11.842) C22.1@126.096,11.842 C20.1@126.096,13.342 v1(127.239,13.342) ; v1(131.218,72.95) R107.1@132.25,72.95 ; R24.2@131.247,30.1 v1(132.579,30.1) ; R25.2@131.247,38.148 v1(132.579,38.148) ; R22.2@131.247,45.3 v1(132.579,45.3) ; R23.2@131.247,53.348 v1(132.579,53.348) ; R20.2@131.247,60.5 v1(132.579,60.5) ; R21.2@131.247,68.548 v1(132.579,68.548) ; v1(131.8,74.445) U10.1@133.437,74.445 ; C72.1@135.41,78.385 136.319,78.385 CON13.6@137.1,77.604 ; R99.1@137.897,8.975 v1(139.108,8.975)
  Top Layer w0.4: CON7.5@4.24,65.15 6.317,65.15 v1(6.848,64.618) ; v9(55.024,43.9) U4.2@56.391,43.9 ; v9(120.714,35.775) C55.1@122.25,35.775 ; v9(122.5,61.925) C56.1@122.5,63.525 ; v1(139.318,72.321) 139.85,72.853 CON13.5@139.85,74.929
  Top Layer w0.5: C1.1@80.604,26.971 81.457,26.971 81.75,26.678 81.75,25.921 82.096,25.575 C2.1@82.9,25.575
  Top Layer w0.6: U1.1@22.055,14.2 U1.17@22.055,18.365 ; U1.5@27.135,14.2 U1.17@27.135,18.365 ; U1.17@27.135,19.635 U1.12@27.135,23.8 ; U1.17@30.945,19.635 U1.9@30.945,23.8
  Bottom Layer w0.2: v10(91.888,4.925) CON12.10@93.375,4.925 ; v10(94.275,13.038) CON12.10@94.275,14.525 ; v10(104.375,13.538) CON12.6@104.375,15.025 ; CON12.10@108.875,4.925 v10(110.362,4.925) ; v10(108.875,13.038) CON12.10@108.875,14.525
  Bottom Layer w0.254: v2(12.476,7.061) pad.2@13.626,5.911 ; v11(35.259,47.884) v11(36.753,46.39) ; v11(36.858,49.483) v11(38.352,47.989) ; C44.1@98.575,43.775 v4(99.425,43.775) ; C43.1@98.575,50.775 v4(99.425,50.775) ; v4(99.5,58.85) C54.1@99.5,59.7 ; C45.1@100.5,39.85 v4(100.5,40.7) ; v4(106.5,58.85) C53.1@106.5,59.7 ; C46.1@107,39.85 v4(107,40.7) ; v4(111.5,58.85) C52.1@111.5,59.7 ; C47.1@112,39.85 v4(112,40.7) ; C48.1@117.5,39.85 v4(117.5,40.7) ; v4(117.575,46.275) C49.1@118.425,46.275 ; v4(117.575,51.775) C50.1@118.425,51.775 ; v4(117.575,58.275) C51.1@118.425,58.275
  other v1: 114.062,8.975 126.585,8.975 116.612,19.554 33.903,48.001 78.433,48.025 33.903,49.604 78.433,51 70,52.496 78.433,55.45 78.433,59.9 51.749,64.5 51.749,72.8
  other v2: 42.9,47.9 44.7,47.9 43.8,48.8 42.9,49.7 44.7,49.7
  other v3: 7.7,1.15 9.811,1.15 11.922,1.15 14.034,1.15 16.145,1.15 7.7,2.825 9.811,2.825 11.922,2.825 14.034,2.825 16.145,2.825 23.378,18 25.489,18 27.6,18 29.711,18 23.378,20 25.489,20 27.6,20 29.711,20
  other v5: 46.075,6.65 47.95,6.65 49.825,6.65 47.012,7.875 48.887,7.875 33.934,18 36.045,18 33.934,20 36.045,20 47.012,30.125 48.887,30.125 46.075,31.35 47.95,31.35 49.825,31.35 78.771,32.9 80.6,32.9 82.429,32.9
  other v6: 70.429,4.154 70.429,8.413 70.429,12.672 70.429,16.93 70.429,21.189 70.429,25.448 70.429,29.707 70.429,33.966 2.288,38.225 6.547,38.225 10.806,38.225 15.065,38.225 19.324,38.225 23.582,38.225 27.841,38.225 32.1,38.225 36.359,38.225 40.618,38.225 44.876,38.225 49.135,38.225 53.394,38.225 57.653,38.225 61.912,38.225 66.171,38.225 70.419,38.225 2.288,40.001 10.806,40.001 15.065,40.001 19.324,40.001 23.582,40.001 2.288,42.483 2.288,46.742 2.288,51.001 2.288,55.26 2.288,59.519 10.806,59.519 15.065,59.519 19.324,59.519 23.582,59.519
  other v7: 3.125,1.125 149.275,1.125 1.711,1.711 4.539,1.711 147.861,1.711 150.689,1.711 1.125,3.125 5.125,3.125 147.275,3.125 151.275,3.125 1.711,4.539 4.539,4.539 147.861,4.539 150.689,4.539 3.125,5.125 149.275,5.125 3.125,74.375 149.275,74.375 1.711,74.961 4.539,74.961 147.861,74.961 150.689,74.961 1.125,76.375 5.125,76.375 147.275,76.375 151.275,76.375 1.711,77.789 4.539,77.789 147.861,77.789 150.689,77.789 3.125,78.375 149.275,78.375
  other v8: 44.575,69.898
  other v13: 3.125,3.125 149.275,3.125 3.125,76.375 149.275,76.375
  other v14: 101.539,8.975
  other v15: 22.4,29.45
INHIBIT: J31.2 R18.1 R19.1 U5.3 | length 35.6
  Top Layer w0.2: v1(86.733,40.95) J31.2@87.875,40.95
  Top Layer w0.254: R18.1@65.052,55.287 66.182,55.287 ; R19.1@67.312,55.287 66.182,55.287 ; v1(69.954,47.9) 70.99,48.936 70.99,53.329 70.872,53.446 U5.3@66.182,53.446 66.182,55.287
  Bottom Layer w0.2: v1(69.954,47.9) 70.508,47.9 73.74,44.668 80.084,44.668 83.802,40.95 v1(86.733,40.95)
LED1: CON6.12 R47.2 U7.3 | length 44.5
  Top Layer w0.2: v1(41.525,41.525) 41,41.525 40.675,41.85 40.675,44.897 40.778,45 42.466,45 43.544,46.078 U7.3@43.544,46.844
  Top Layer w0.254: CON6.12@25.463,56.39 28.551,56.39 v1(29.803,57.642) R47.2@31.151,57.642
  Bottom Layer w0.254: v1(29.803,57.642) 28.717,57.642 27.593,56.518 27.593,44.074 29.167,42.5 40.55,42.5 v1(41.525,41.525)
LED2: CON6.1 R48.2 U7.2 | length 25.9
  Top Layer w0.2: v1(39.5,41.525) 40.025,41.525 40.348,41.848 40.348,45.032 40.716,45.4 42.3,45.4 43.044,46.144 U7.2@43.044,46.844
  Top Layer w0.254: CON6.1@25.453,43.24 25.463,43.25 28.45,43.25 28.524,43.176 28.6,43.1 28.6,41.861 v1(29.803,40.658) 30.503,39.958 R48.2@31.151,39.958
  Bottom Layer w0.254: v1(29.803,40.658) 38.633,40.658 v1(39.5,41.525)
LED_STLINK: R59.1 R65.2 U8.30 | length 4.4
  Top Layer w0.254: R65.2@35.025,71.3 R59.1@35.025,69.8 35.756,69.8 36.156,69.4 U8.30@37.733,69.4
NetC1_2: C1.2 J1.2 U2.1 | length 5.5
  Top Layer w0.5: J1.2@78.3,26.975 U2.1@78.3,29.194 ; J1.2@78.304,26.971 79.157,26.971 79.45,26.678 79.45,25.921 79.796,25.575 C1.2@80.6,25.575
NetC7_2: C7.2 R5.1 | length 1.3
  Top Layer w0.254: C7.2@25.865,4.409 R5.1@25.865,5.7
NetC8_2: C8.2 R6.1 | length 1.3
  Top Layer w0.254: R6.1@25.865,32.3 C8.2@25.865,33.591
NetC13_1: C13.1 J5.2 R8.2 U4.1 | length 8
  Top Layer w0.254: U4.1@56.391,42.95 J5.2@60.692,42.95 ; R8.2@58.8,44.85 C13.1@60.7,44.85 ; J5.2@60.708,43.008 C13.1@60.708,44.808
NetC14_1: C14.1 U4.4 | length 1.5
  Top Layer w0.254: U4.4@53.691,44.85 C14.1@53.691,46.333
NetC20_2: C20.2 R28.2 | length 1.4
  Top Layer w0.254: C20.2@124.646,13.392 R28.2@124.646,14.842
NetC21_2: C21.2 R29.2 | length 1.4
  Top Layer w0.254: R29.2@124.646,22.992 C21.2@124.646,24.442
NetC32_2: C32.2 U7.4 XT1.1 | length 7
  Top Layer w0.2: C32.2@41.525,42.833 42.877,42.833 XT1.1@43.2,42.51 43.325,42.51 44.2,43.385 44.2,44.609 44.57,44.979 44.57,45.499 44.05,46.019 U7.4@44.05,46.85
NetC37_2: C37.2 J22.1 R67.1 | length 3
  Top Layer w0.254: J22.1@32.028,74.3 C37.2@32.028,72.8 R67.1@33.525,72.8
NetC57_1: C57.1 J32.1 XT3.2 | length 4.2
  Top Layer w0.2: C57.1@92.112,57.673 91.5,57.06 XT3.2@91.5,56.03 92.043,56.03 cw(c92.043,54.818) 92.9,55.675 ccw(c93.262,56.037) 93.262,55.525 J32.1@93.7,55.525
NetC64_1: C64.1 J36.1 XT3.1 | length 4.2
  Top Layer w0.2: C64.1@92.112,51.878 91.5,52.49 91.5,53.52 92.043,53.52 ccw(c92.043,54.732) 92.9,53.875 cw(c93.262,53.513) 93.262,54.025 J36.1@93.7,54.025
NetC65_1: C65.1 J37.1 XT4.2 | length 3.9
  Top Layer w0.2: XT4.2@91.267,48.22 91.267,49.09 C65.1@92.112,49.935 ; XT4.2@92.043,48.53 cw(c92.043,47.318) 92.9,48.175 ccw(c93.262,48.537) 93.262,48.025 J37.1@93.7,48.025
NetC66_1: C66.1 J39.1 XT4.1 | length 3.9
  Top Layer w0.2: XT4.1@91.267,46.32 91.267,45.45 C66.1@92.112,44.605 ; XT4.1@92.043,46.02 ccw(c92.043,47.232) 92.9,46.375 cw(c93.262,46.013) 93.262,46.525 J39.1@93.7,46.525
NetC72_2: C72.2 CON13.1 J41.2 J42.2 U10.3 | length 25.1
  Top Layer w0.4: J41.2@129.087,72.95 129.85,72.95 130.175,73.275 130.175,75.775 131.385,76.985 U10.3@133.437,76.985 C72.2@135.41,76.985 135.41,76.385 135.725,76.07 135.725,74.025 136.425,73.325 137.25,73.325 ; J42.2@137.25,71.6 137.25,73.325 ; v1(138.5,73.325) 137.25,73.325 ; CON13.1@142.45,74.929 142.45,72.853 v1(142.982,72.321)
  Bottom Layer w0.4: v1(138.5,73.325) 141.978,73.325 v1(142.982,72.321)
NetCON6_2: CON6.2 R49.2 | length 8.4
  Top Layer w0.254: CON6.2@25.453,45.06 28.54,45.06 28.8,44.8 28.8,43.542 29.1,43.242 29.1,42.3 29.847,41.553 R49.2@31.151,41.553
NetCON6_11: CON6.11 R50.2 | length 6.3
  Top Layer w0.254: CON6.11@25.453,54.58 28.48,54.58 29.947,56.047 R50.2@31.151,56.047
NetCON7_4: CON7.4 R57.2 | length 7.8
  Top Layer w0.254: CON7.4@4.24,65.8 v1(6.848,65.8) ; v1(5.98,69.525) R57.2@5.98,70.6
  Bottom Layer w0.254: v1(5.98,69.525) 5.98,66.668 v1(6.848,65.8)
NetCON12_9: CON12.9 R97.2 | length 160.6
  Top Layer w0.2: v1(100.5,72.925) 101.35,72.075 121.525,72.075 122.719,73.269 125.04,73.269 127.258,71.05 v1(127.7,71.05)
  Top Layer w0.254: R97.2@105.75,64.525 v2(105.75,65.375)
  Bottom Layer w0.2: v1(100.5,72.925) 105.75,67.675 v2(105.75,65.375) ; CON12.9@107.675,15.025 107.675,12.75 109.725,10.7 111.175,10.7 115.485,6.39 138.903,6.39 140.35,7.837 140.35,52.775 138.7,54.425 138.7,55.75 141.49,58.54 141.49,66.641 139.706,68.425 138.128,68.425 135.35,71.203 135.35,73.126 133.201,75.275 128.496,75.275 127.7,74.479 v1(127.7,71.05)
NetD5_2: D5.2 D6.2 D11.2 J6.1 | length 10.1
  Top Layer w0.4: J6.1@63.552,49.705 63.552,48.348 64.1,47.8 66,47.8 66.462,47.338 D5.2@66.462,46.155 D6.2@66.462,44.052 D11.2@66.462,41.95
NetD7_1: D7.1 R9.1 | length 1.8
  Top Layer w0.254: R9.1@62.6,43 D7.1@62.6,44.8
NetD8_1: D8.1 R10.1 | length 1.6
  Top Layer w0.254: D8.1@73.525,2.245 R10.1@75.17,2.245